# Allegro board TubiiPCB_V6.brd (continued)
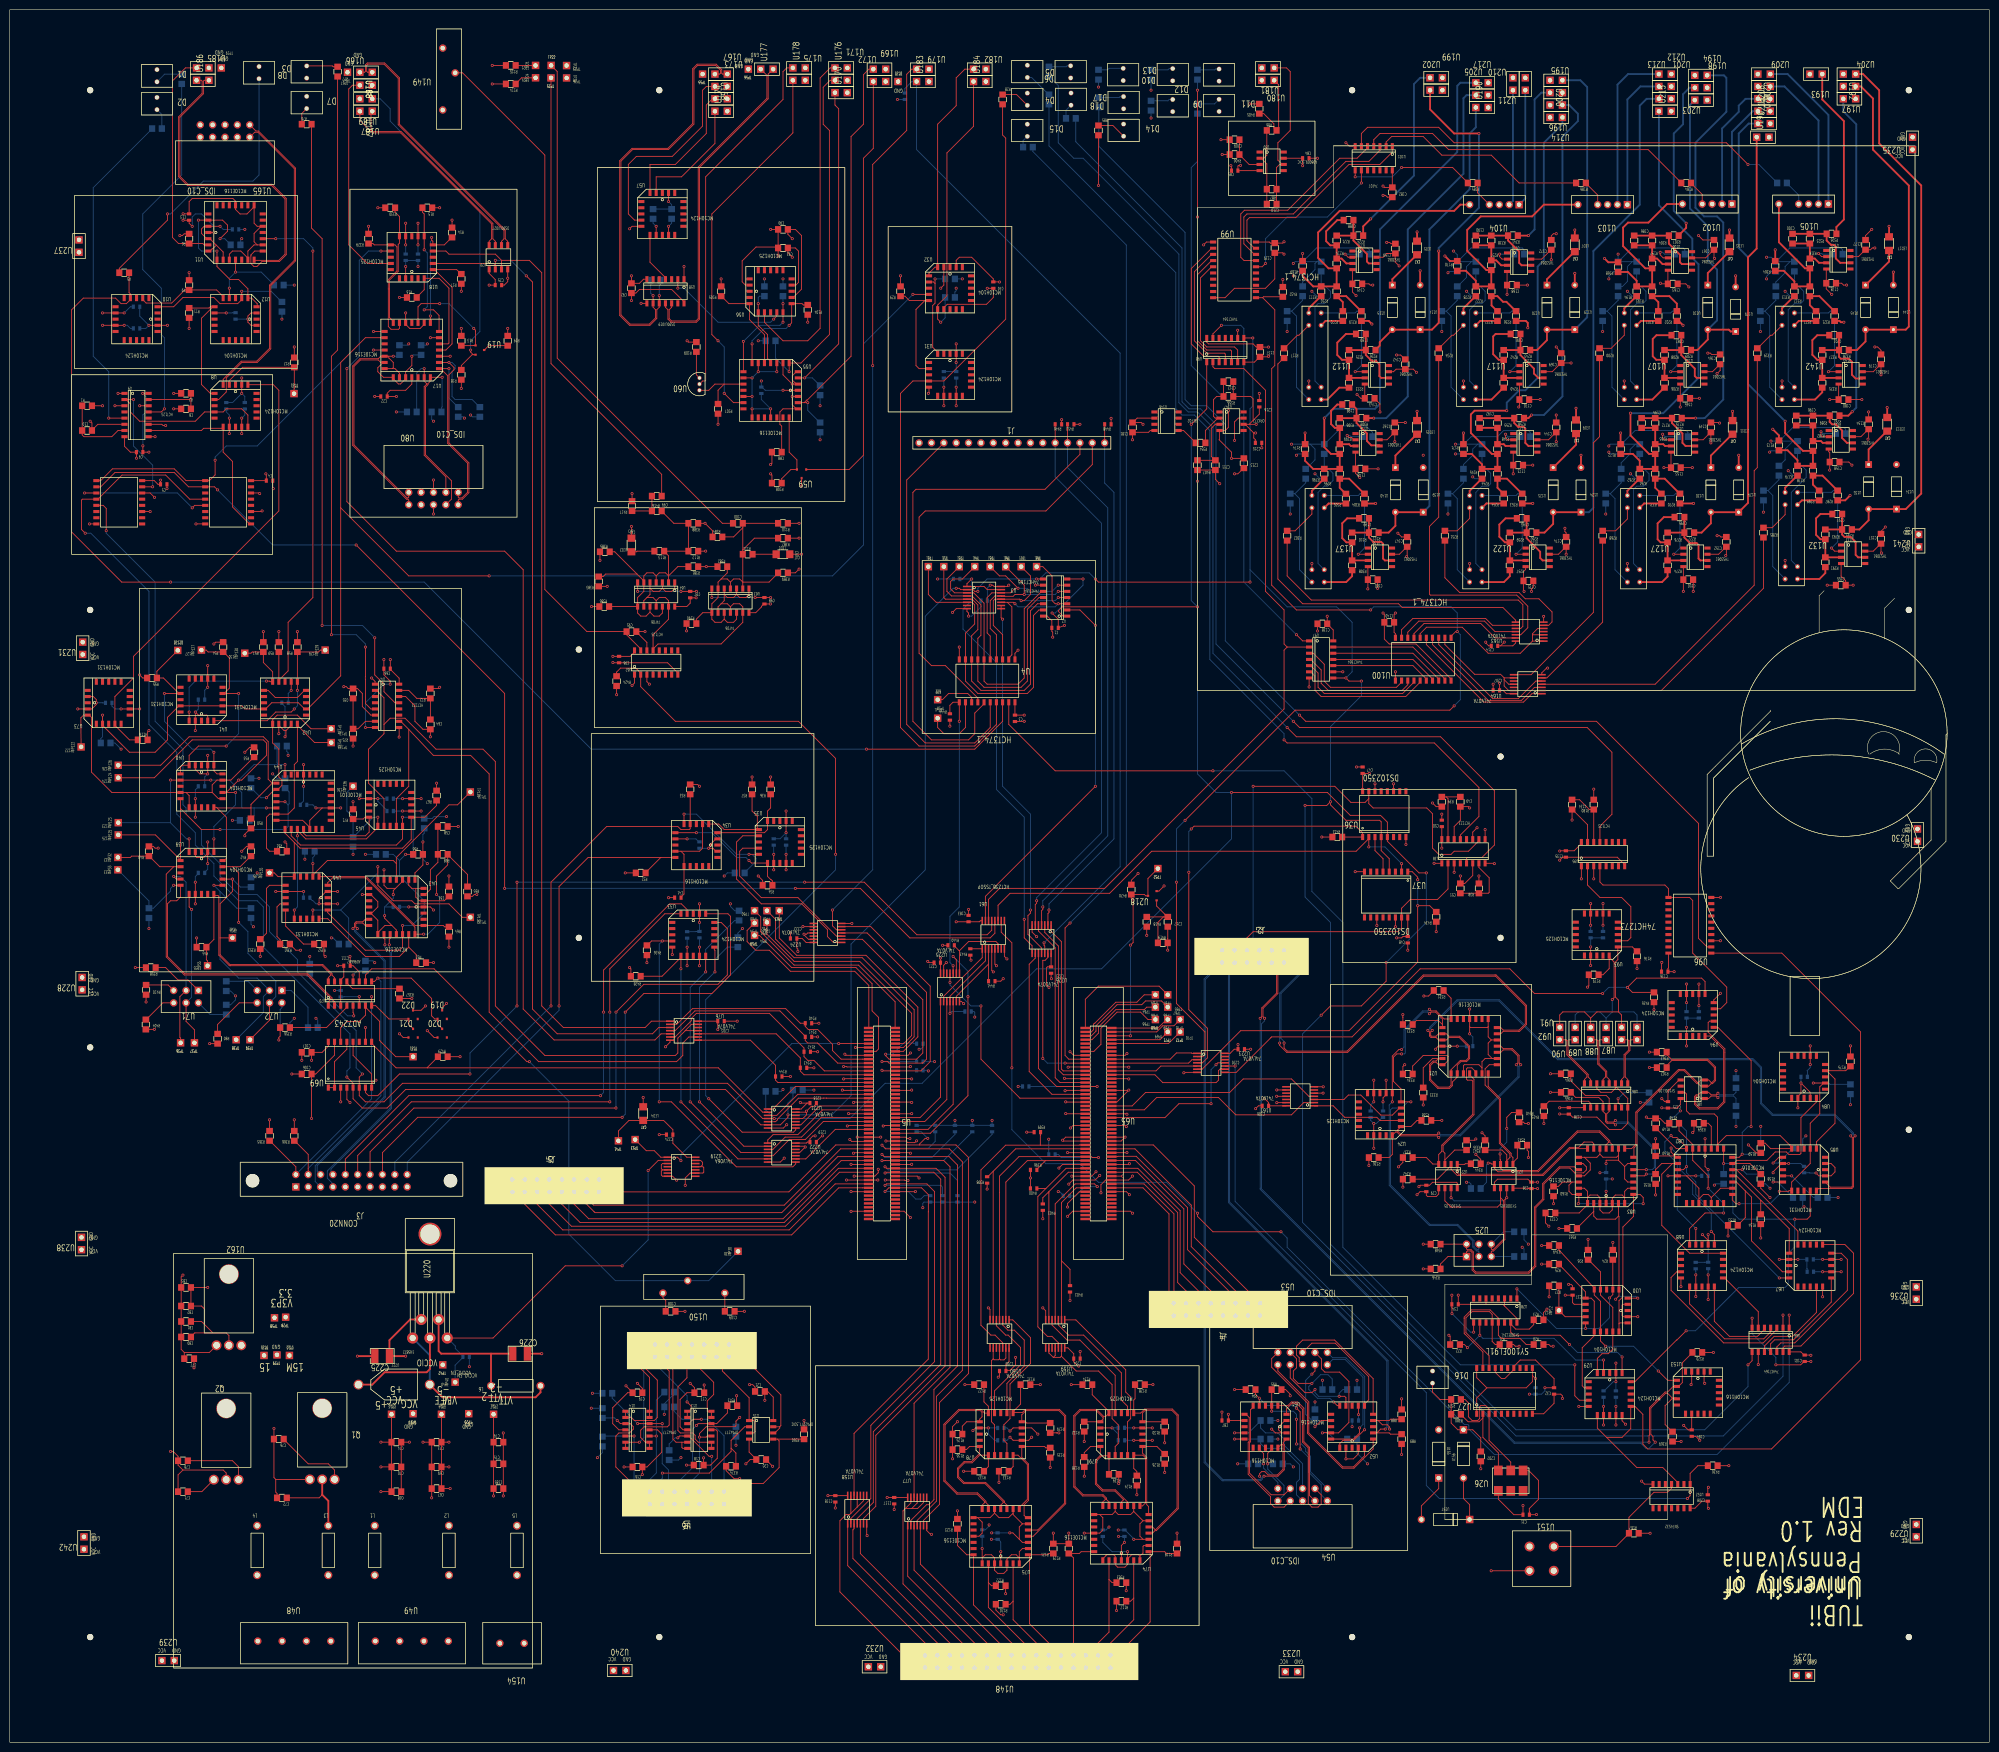
[diagram p0: board, top side]
## Nets (continued)
UNNAMED_1_74HCT164_I64_Q2: U98.5(Q2) U99.4(D2)
UNNAMED_1_74HCT164_I64_Q3: U98.6(Q3) U99.5(D3)
UNNAMED_1_74HCT164_I64_Q7: U97.1(DSA) U98.13(Q7)
UNNAMED_1_74HCT164_I65_Q0: U97.3(Q0) U100.2(D0)
UNNAMED_1_74HCT164_I65_Q1: U97.4(Q1) U100.3(D1)
UNNAMED_1_74HCT164_I65_Q2: U97.5(Q2) U100.4(D2)
UNNAMED_1_74HCT164_I65_Q3: U97.6(Q3) U100.5(D3)
UNNAMED_1_74HCT164_I65_Q4: U97.10(Q4) U100.6(D4)
UNNAMED_1_74HCT164_I65_Q5: U97.11(Q5) U100.7(D5)
UNNAMED_1_74HCT164_I65_Q6: U97.12(Q6) U100.8(D6)
UNNAMED_1_74HCT164_I65_Q7: U97.13(Q7) U100.9(D7)
UNNAMED_1_74LV06A_I237_VCC: C224.1(A<0>) LED4.1(B) TP41.1(A) U219.14(VCC)
UNNAMED_1_74LV07A_I70_A1: U100.16(Q3) U163.1(A1) U163.3(A2) U163.5(A3)
UNNAMED_1_74LV07A_I70_A4: U100.19(Q0) U163.9(A4)
UNNAMED_1_74LV07A_I70_A5: U100.18(Q1) U163.11(A5)
UNNAMED_1_74LV07A_I70_A6: U100.17(Q2) U163.13(A6)
UNNAMED_1_74LV07A_I72_A1: U100.15(Q4) U164.1(A1)
UNNAMED_1_74LV07A_I72_A2: U100.14(Q5) U164.3(A2)
UNNAMED_1_74LV07A_I72_A3: U100.13(Q6) U164.5(A3)
UNNAMED_1_74LV07A_I72_A4: U100.12(Q7) U164.9(A4) U164.11(A5) U164.13(A6)
UNNAMED_1_74LV07A_I72_Y3: R268.1(A<0>) U164.6(Y3)
UNNAMED_1_74LV07A_I85_A1: U79.7(Q2) U159.1(A1)
UNNAMED_1_74LV07A_I85_A2: U79.15(Q3) U159.3(A2)
UNNAMED_1_74LV07A_I85_A3: U79.17(Q4) U159.5(A3)
UNNAMED_1_74LV07A_I85_A4: U79.5(Q1) U159.9(A4) U159.11(A5) U159.13(A6)
UNNAMED_1_74LV07A_I86_A1: U78.7(Q2) U160.1(A1)
UNNAMED_1_74LV07A_I86_A2: U78.15(Q3) U160.3(A2)
UNNAMED_1_74LV07A_I86_A3: U78.17(Q4) U160.5(A3)
UNNAMED_1_74LV07A_I86_A4: U78.5(Q1) U160.9(A4) U160.11(A5) U160.13(A6)
UNNAMED_1_AD7243_I2_REFIN: U69.1(REFIN) U69.2(REFOUT) U69.13(ROFS)
UNNAMED_1_AD8009_I1_IN: C210.1(A<0>) R86.2(B<0>) R87.1(A<0>) U50.2(IN-)
UNNAMED_1_AD8009_I1_IN_1: C209.2(B<0>) R406.2(B<0>) U50.3(IN+)
UNNAMED_1_AD96687_I1_LE1: R356.2(B<0>) U70.4(LE1)
UNNAMED_1_AD96687_I1_LE1_1: R408.2(B<0>) U70.5(LE1*)
UNNAMED_1_AD96687_I1_LE2: R357.2(B<0>) U70.13(LE2)
UNNAMED_1_AD96687_I1_LE2_1: R409.2(B<0>) U70.12(LE2*)
UNNAMED_1_AD96687_I1_Q1: R48.2(B<0>) TP32.1(A) U39.5(A1) U70.1(Q1)
UNNAMED_1_AD96687_I1_Q1_1: R46.2(B<0>) TP33.1(A) U39.8(A2) U70.2(Q1*)
UNNAMED_1_AD96687_I1_Q2: R45.2(B<0>) TP35.1(A) U39.13(A3) U70.16(Q2)
UNNAMED_1_AD96687_I1_Q2_1: R43.2(B<0>) TP34.1(A) U39.15(A4) U70.15(Q2*)
UNNAMED_1_BACKPORTS_I3_UNNU<10>: J4.5 U65.67
UNNAMED_1_BACKPORTS_I3_UNNU<11>: J4.7 U65.69
UNNAMED_1_BACKPORTS_I3_UNNU<12>: J4.9 U65.73
UNNAMED_1_BACKPORTS_I3_UNNU<13>: J4.11 U65.75
UNNAMED_1_BACKPORTS_I3_UNNU<14>: J4.13 U65.81
UNNAMED_1_BACKPORTS_I3_UNNU<15>: J4.15 U65.83
UNNAMED_1_BACKPORTS_I3_UNNUS<0>: J5.15 U5.62
UNNAMED_1_BACKPORTS_I3_UNNUS<1>: J5.13 U5.64
UNNAMED_1_BACKPORTS_I3_UNNUS<2>: J5.11 U5.68
UNNAMED_1_BACKPORTS_I3_UNNUS<3>: J5.9 U5.70
UNNAMED_1_BACKPORTS_I3_UNNUS<4>: J5.7 U5.74
UNNAMED_1_BACKPORTS_I3_UNNUS<5>: J5.5 U5.76
UNNAMED_1_BACKPORTS_I3_UNNUS<6>: J5.3 U5.82
UNNAMED_1_BACKPORTS_I3_UNNUS<7>: J5.1 U5.84
UNNAMED_1_BACKPORTS_I3_UNNUS<8>: J4.1 U65.61
UNNAMED_1_BACKPORTS_I3_UNNUS<9>: J4.3 U65.63
UNNAMED_1_BSS138_I128_1: C217.2(B<0>) R418.2(B<0>) R419.2(B<0>) U218.1
UNNAMED_1_CAENBUFFER_I5_CNTRL: R319.1(A<0>) U164.4(Y2)
UNNAMED_1_CAENBUFFER_I5_INANAL: R312.1(A<0>) R313.1(A<0>) R316.1(A<0>) R364.2(B<0>) U105.5(OUT)
UNNAMED_1_CAENBUFFER_I18_CNTRL: R200.1(A<0>) U164.8(Y4)
UNNAMED_1_CAENBUFFER_I18_INANAL: R168.2(B<0>) R193.1(A<0>) R194.1(A<0>) R197.1(A<0>) U102.5(OUT)
UNNAMED_1_CAENBUFFER_I18_VREF5M: C141.2(B<0>) C146.2(B<0>) C151.2(B<0>) C156.2(B<0>) C161.2(B<0>) C166.2(B<0>) C171.2(B<0>) C176.2(B<0>) C212.2(B<0>) C215.2(B<0>) C216.2(B<0>) R195.1(A<0>) R196.1(A<0>) R201.1(A<0>) R212.1(A<0>) R213.1(A<0>) R218.1(A<0>) R229.1(A<0>) R230.1(A<0>) R235.1(A<0>) R246.1(A<0>) R247.1(A<0>) R252.1(A<0>) R263.1(A<0>) R264.1(A<0>) R269.1(A<0>) R280.1(A<0>) R281.1(A<0>) R286.1(A<0>) R297.1(A<0>) R298.1(A<0>) R303.1(A<0>) R314.1(A<0>) R315.1(A<0>) R320.1(A<0>) R355.2(B<0>) U147.6(OUT)
UNNAMED_1_CAENBUFFER_I19_CNTRL: R217.1(A<0>) U163.8(Y4)
UNNAMED_1_CAENBUFFER_I19_INANAL: R169.2(B<0>) R210.1(A<0>) R211.1(A<0>) R214.1(A<0>) U104.5(OUT)
UNNAMED_1_CAENBUFFER_I20_CNTRL: R234.1(A<0>) U163.12(Y6)
UNNAMED_1_CAENBUFFER_I20_INANAL: R170.2(B<0>) R227.1(A<0>) R228.1(A<0>) R231.1(A<0>) U103.5(OUT)
UNNAMED_1_CAENBUFFER_I21_CNTRL: R251.1(A<0>) U163.6(Y3)
UNNAMED_1_CAENBUFFER_I23_CNTRL: R285.1(A<0>) U164.2(Y1)
UNNAMED_1_CAENBUFFER_I24_CNTRL: R302.1(A<0>) U163.10(Y5)
UNNAMED_1_CAENCOMS_I8_DATARDY: R432.1(A<0>) U99.11(CLK) U100.11(CLK) U223.2(Y1)
UNNAMED_1_CAENCOMS_I8_GT2P: R56.2(B<0>) U17.20(Q4) U32.7(B1) U41.5(R1) U41.17(R2) U42.5(R1) U42.17(R2) U73.5(R1)
UNNAMED_1_CAENCOMS_I8_GTTTL: U1.1(IN) U7.1(IN) U18.15(Q3) U76.5(A3)
UNNAMED_1_CAENCOMS_I8_SYNC24TTL: U18.7(Q2) U20.3(D2) U76.1(A1)
UNNAMED_1_CAENCOMS_I8_SYNCTTL: U18.5(Q1) U20.2(D1) U76.3(A2)
UNNAMED_1_CHANGECLKS_I3_BCKPC_1: R344.1(A<0>) U22.1(D_A) U83.17(Q3)
UNNAMED_1_CHANGECLKS_I3_BCKPC_2: R348.2(B<0>) U25.4(T_A2) U83.21(Q4*)
UNNAMED_1_CHANGECLKS_I3_BCKPC_3: R346.2(B<0>) U25.1(T_A1) U83.20(Q4)
UNNAMED_1_CHANGECLKS_I3_BCKPCLK: R342.1(A<0>) U22.2(D_A*) U83.18(Q3*)
UNNAMED_1_CHANGECLKS_I3_CHANG_1: R333.2(B<0>) U21.3(D0) U21.6(D1*) U21.27(D2) U85.19(Q2)
UNNAMED_1_CHANGECLKS_I3_CHANGEC: R334.2(B<0>) U21.4(D0*) U21.5(D1) U21.28(D2*) U85.18(Q2*)
UNNAMED_1_CHANGECLKS_I3_DEFAU_1: R340.2(B<0>) U23.3(D_B) U83.14(Q2)
UNNAMED_1_CHANGECLKS_I3_DEFAULT: R339.2(B<0>) U23.4(D_B*) U83.15(Q2*)
UNNAMED_1_CLOCKS_I2_BCKPUSED: U24.5(Q1) U161.1(A1)
UNNAMED_1_CLOCKS_I2_CLK100TTL: U24.7(Q2) U161.3(A2)
UNNAMED_1_CLOCKS_I2_CLKSEL: U4.19(Q0) U29.7(A_IN)
UNNAMED_1_CLOCKS_I2_DATARDY: R435.1(A<0>) U94.9(B_IN) U223.8(Y4)
UNNAMED_1_CLOCKS_I2_RESET: R436.1(A<0>) U152.1(A1) U223.10(Y5)
UNNAMED_1_CNTRLREGISTER_I10_DAT: R444.2(B<0>) U4.11(CLK) U225.10(Y5)
UNNAMED_1_CNTRLREGISTER_I10_ECA: R28.1(A<0>) U4.17(Q2) U31.7(A_IN)
UNNAMED_1_CNTRLREGISTER_I10_LOS: R5.2(B<0>) U4.18(Q1) U10.7(A_IN)
UNNAMED_1_CNTRLREGISTER_I10_REA: R449.2(B<0>) U3.1(PL*) U3.15(CE*) U226.8(Y4)
UNNAMED_1_CNTRLREGISTER_I10_REG: U3.9(Q7) U3.10(DS) U226.11(A5)
UNNAMED_1_COTO2342_I1_CTRLIN: R319.2(B<0>) U142.2(CTRL_IN)
UNNAMED_1_COTO2342_I1_CTRLIN_1: R200.2(B<0>) U107.2(CTRL_IN)
UNNAMED_1_COTO2342_I1_CTRLIN_2: R217.2(B<0>) U112.2(CTRL_IN)
UNNAMED_1_COTO2342_I1_CTRLIN_3: R234.2(B<0>) U117.2(CTRL_IN)
UNNAMED_1_COTO2342_I1_CTRLIN_4: R251.2(B<0>) U122.2(CTRL_IN)
UNNAMED_1_COTO2342_I1_CTRLIN_5: R268.2(B<0>) U127.2(CTRL_IN)
UNNAMED_1_COTO2342_I1_CTRLIN_6: R285.2(B<0>) U132.2(CTRL_IN)
UNNAMED_1_COTO2342_I1_CTRLIN_7: R302.2(B<0>) U137.2(CTRL_IN)
UNNAMED_1_COTO2342_I1_IN1: R325.1(A<0>) U142.5(IN1)
UNNAMED_1_COTO2342_I1_IN1_1: R206.1(A<0>) U107.5(IN1)
UNNAMED_1_COTO2342_I1_IN1_2: R223.1(A<0>) U112.5(IN1)
UNNAMED_1_COTO2342_I1_IN1_3: R240.1(A<0>) U117.5(IN1)
UNNAMED_1_COTO2342_I1_IN1_4: R257.1(A<0>) U122.5(IN1)
UNNAMED_1_COTO2342_I1_IN1_5: R274.1(A<0>) U127.5(IN1)
UNNAMED_1_COTO2342_I1_IN1_6: R291.1(A<0>) U132.5(IN1)
UNNAMED_1_COTO2342_I1_IN1_7: R308.1(A<0>) U137.5(IN1)
UNNAMED_1_COTO2342_I1_IN2: R324.1(A<0>) U142.8(IN2)
UNNAMED_1_COTO2342_I1_IN2_1: R205.1(A<0>) U107.8(IN2)
UNNAMED_1_COTO2342_I1_IN2_2: R222.1(A<0>) U112.8(IN2)
UNNAMED_1_COTO2342_I1_IN2_3: R239.1(A<0>) U117.8(IN2)
UNNAMED_1_COTO2342_I1_IN2_4: R256.1(A<0>) U122.8(IN2)
UNNAMED_1_COTO2342_I1_IN2_5: R273.1(A<0>) U127.8(IN2)
UNNAMED_1_COTO2342_I1_IN2_6: R290.1(A<0>) U132.8(IN2)
UNNAMED_1_COTO2342_I1_IN2_7: R307.1(A<0>) U137.8(IN2)
UNNAMED_1_COTO2342_I1_NC1: R322.2(B<0>) U142.7(NC1)
UNNAMED_1_COTO2342_I1_NC1_1: R203.2(B<0>) U107.7(NC1)
UNNAMED_1_COTO2342_I1_NC1_2: R220.2(B<0>) U112.7(NC1)
UNNAMED_1_COTO2342_I1_NC1_3: R237.2(B<0>) U117.7(NC1)
UNNAMED_1_COTO2342_I1_NC1_4: R254.2(B<0>) U122.7(NC1)
UNNAMED_1_COTO2342_I1_NC1_5: R271.2(B<0>) U127.7(NC1)
UNNAMED_1_COTO2342_I1_NC1_6: R288.2(B<0>) U132.7(NC1)
UNNAMED_1_COTO2342_I1_NC1_7: R305.2(B<0>) U137.7(NC1)
UNNAMED_1_COTO2342_I1_NC2: R315.2(B<0>) R318.2(B<0>) U142.6(NC2)
UNNAMED_1_COTO2342_I1_NC2_1: R196.2(B<0>) R199.2(B<0>) U107.6(NC2)
UNNAMED_1_COTO2342_I1_NC2_2: R213.2(B<0>) R216.2(B<0>) U112.6(NC2)
UNNAMED_1_COTO2342_I1_NC2_3: R230.2(B<0>) R233.2(B<0>) U117.6(NC2)
UNNAMED_1_COTO2342_I1_NC2_4: R247.2(B<0>) R250.2(B<0>) U122.6(NC2)
UNNAMED_1_COTO2342_I1_NC2_5: R264.2(B<0>) R267.2(B<0>) U127.6(NC2)
UNNAMED_1_COTO2342_I1_NC2_6: R281.2(B<0>) R284.2(B<0>) U132.6(NC2)
UNNAMED_1_COTO2342_I1_NC2_7: R298.2(B<0>) R301.2(B<0>) U137.6(NC2)
UNNAMED_1_COTO2342_I1_NO1: R313.2(B<0>) U142.1(NO1)
UNNAMED_1_COTO2342_I1_NO1_1: R194.2(B<0>) U107.1(NO1)
UNNAMED_1_COTO2342_I1_NO1_2: R211.2(B<0>) U112.1(NO1)
UNNAMED_1_COTO2342_I1_NO1_3: R228.2(B<0>) U117.1(NO1)
UNNAMED_1_COTO2342_I1_NO1_4: R245.2(B<0>) U122.1(NO1)
UNNAMED_1_COTO2342_I1_NO1_5: R262.2(B<0>) U127.1(NO1)
UNNAMED_1_COTO2342_I1_NO1_6: R279.2(B<0>) U132.1(NO1)
UNNAMED_1_COTO2342_I1_NO1_7: R296.2(B<0>) U137.1(NO1)
UNNAMED_1_COTO2342_I1_NO2: R314.2(B<0>) R317.2(B<0>) U142.4(NO2)
UNNAMED_1_COTO2342_I1_NO2_1: R195.2(B<0>) R198.2(B<0>) U107.4(NO2)
UNNAMED_1_COTO2342_I1_NO2_2: R212.2(B<0>) R215.2(B<0>) U112.4(NO2)
UNNAMED_1_COTO2342_I1_NO2_3: R229.2(B<0>) R232.2(B<0>) U117.4(NO2)
UNNAMED_1_COTO2342_I1_NO2_4: R246.2(B<0>) R249.2(B<0>) U122.4(NO2)
UNNAMED_1_COTO2342_I1_NO2_5: R263.2(B<0>) R266.2(B<0>) U127.4(NO2)
UNNAMED_1_COTO2342_I1_NO2_6: R280.2(B<0>) R283.2(B<0>) U132.4(NO2)
UNNAMED_1_COTO2342_I1_NO2_7: R297.2(B<0>) R300.2(B<0>) U137.4(NO2)
UNNAMED_1_CSMD0603_I10_B_1: C41.2(B<0>) U34.5(D1*) U34.12(D2*) U34.14(VBB)
UNNAMED_1_CSMD0603_I54_B: C113.2(B<0>) U74.2(VBB) U74.4(D0*) U74.6(D1*) U74.26(D3*) U74.28(D2*)
UNNAMED_1_CSMD0603_I55_A: C115.1(A<0>) U75.2(VBB) U75.4(D0*) U75.6(D1*) U75.26(D3*) U75.28(D2*)
UNNAMED_1_CSMD0805_I12_B: C211.2(B<0>) R407.2(B<0>) U147.3(IN+)
UNNAMED_1_CSMD0805_I13_B: C51.2(B<0>) R38.2(B<0>) U38.7(REXT/CEXT2)
UNNAMED_1_CSMD0805_I14_B: C10.2(B<0>) R1.2(B<0>) U9.7(REXT/CEXT2)
UNNAMED_1_CSMD0805_I14_B_1: C49.2(B<0>) R39.2(B<0>) U38.15(REXT/CEXT1)
UNNAMED_1_CSMD0805_I15_B: C8.2(B<0>) R2.2(B<0>) U9.15(REXT/CEXT1)
UNNAMED_1_CSMD0805_I21_B_8: C100.2(B<0>) TP22.1(A)
UNNAMED_1_CSMD0805_I22_A: C99.1(A<0>) R416.2(B<0>) R417.2(B<0>)
UNNAMED_1_CSMD0805_I22_B: C99.2(B<0>) TP25.1(A)
UNNAMED_1_CSMD0805_I23_B: C95.2(B<0>) U62.15(REXT/CEXT1) U149.2(OUT)
UNNAMED_1_CSMD0805_I46_B: C64.2(B<0>) R72.2(B<0>) U47.15(REXT/CEXT1)
UNNAMED_1_CSMD0805_I57_B: C65.2(B<0>) R75.1(A<0>) U47.7(REXT/CEXT2)
UNNAMED_1_CSMD0805_I64_B: C61.2(B<0>) U43.2(VBB) U43.4(D0*) U43.6(D1*)
UNNAMED_1_CSMD0805_I70_B: C59.2(B<0>) R66.1(A<0>) U43.5(D1)
UNNAMED_1_CSMD0805_I71_A: C58.1(A<0>) R68.1(A<0>) U43.3(D0)
UNNAMED_1_DEFAULTCLKSEL_I1_BCKP: R160.2(B<0>) U30.18(Q3) U30.19(Q4) U83.5(D1) U83.23(D4) U83.25(D3)
UNNAMED_1_DEFAULTCLKSEL_I1_DEFA: R161.2(B<0>) U30.3(Q1) U30.4(Q2) U83.3(D0) U83.27(D2)
UNNAMED_1_DEFAULTCLKSEL_I1_RE_1: U29.9(B_IN) U29.14(D_IN) U96.1(MR*) U152.3(Y1)
UNNAMED_1_DEFAULTCLKSEL_I1_RESE: R157.1(A<0>) U29.18(D_OUT) U82.26(MR) U85.17(R2)
UNNAMED_1_DR610F1BUTTON_I24_B2: R167.2(B<0>) U151.3(B2) U152.4(A2)
UNNAMED_1_DS90LV019_I14_DIN: U56.7(Q2) U58.2(DIN)
UNNAMED_1_DS90LV019_I14_ROUT: U57.9(B_IN) U58.4(ROUT)
UNNAMED_1_DS102350_I1_Q: U36.3(Q/P0) U37.5(D/P2)
UNNAMED_1_ELLIECOMS_I9_SMELLI_1: R430.2(B<0>) U33.13(C_IN) U222.4(Y2)
UNNAMED_1_ELLIECOMS_I9_SMELLIED: R426.2(B<0>) U33.7(A_IN) U222.8(Y4)
UNNAMED_1_ELLIECOMS_I9_SMELLIEP: U35.5(Q1) U224.1(A1)
UNNAMED_1_ELLIECOMS_I9_TELLIEDE: R428.2(B<0>) U33.9(B_IN) U222.6(Y3)
UNNAMED_1_ELLIECOMS_I9_TELLIEPR: U35.7(Q2) U224.3(A2)
UNNAMED_1_ELLIECOMS_I9_TELLIEPU: R431.2(B<0>) U33.14(D_IN) U222.2(Y1)
UNNAMED_1_EXTTRIGS_I70_EXTT<10>: R393.2(B<0>) U5.61 U77.6(Y3)
UNNAMED_1_EXTTRIGS_I70_EXTT<11>: R392.2(B<0>) U5.69 U77.12(Y6)
UNNAMED_1_EXTTRIGS_I70_EXTT<12>: R391.2(B<0>) U5.81 U158.2(Y1)
UNNAMED_1_EXTTRIGS_I70_EXTT<13>: R147.2(B<0>) U5.75 U158.4(Y2)
UNNAMED_1_EXTTRIGS_I70_EXTT<14>: R146.2(B<0>) U5.73 U158.6(Y3)
UNNAMED_1_EXTTRIGS_I70_EXTT<15>: R145.2(B<0>) U5.83 U158.12(Y6)
UNNAMED_1_EXTTRIGS_I70_EXTTR<0>: R403.1(A<0>) U65.84 U159.2(Y1)
UNNAMED_1_EXTTRIGS_I70_EXTTR<1>: R402.1(A<0>) U65.82 U159.4(Y2)
UNNAMED_1_EXTTRIGS_I70_EXTTR<2>: R401.1(A<0>) U65.76 U159.6(Y3)
UNNAMED_1_EXTTRIGS_I70_EXTTR<3>: R400.1(A<0>) U65.74 U159.12(Y6)
UNNAMED_1_EXTTRIGS_I70_EXTTR<4>: R396.2(B<0>) U65.70 U160.2(Y1)
UNNAMED_1_EXTTRIGS_I70_EXTTR<5>: R397.2(B<0>) U65.68 U160.4(Y2)
UNNAMED_1_EXTTRIGS_I70_EXTTR<6>: R398.2(B<0>) U65.64 U160.6(Y3)
UNNAMED_1_EXTTRIGS_I70_EXTTR<7>: R399.2(B<0>) U65.62 U160.12(Y6)
UNNAMED_1_EXTTRIGS_I70_EXTTR<8>: R395.2(B<0>) U5.67 U77.2(Y1)
UNNAMED_1_EXTTRIGS_I70_EXTTR<9>: R394.2(B<0>) U5.63 U77.4(Y2)
UNNAMED_1_FCI61083-101400LF_I23: TP68.1(A) U65.14
UNNAMED_1_FRONTPORTS_I2_CAEN<0>: R328.2(B<0>) U144.1(IN) U145.2(OUT) U197.1
UNNAMED_1_FRONTPORTS_I2_CAEN<1>: R209.2(B<0>) U109.1(IN) U110.2(OUT) U198.1
UNNAMED_1_FRONTPORTS_I2_CAEN<2>: R226.2(B<0>) U114.1(IN) U115.2(OUT) U199.1
UNNAMED_1_FRONTPORTS_I2_CAEN<3>: R243.2(B<0>) U119.1(IN) U120.2(OUT) U200.1
UNNAMED_1_FRONTPORTS_I2_CAEN<4>: R260.2(B<0>) U124.1(IN) U125.2(OUT) U201.1
UNNAMED_1_FRONTPORTS_I2_CAEN<5>: R277.2(B<0>) U129.1(IN) U130.2(OUT) U191.1
UNNAMED_1_FRONTPORTS_I2_CAEN<6>: R294.2(B<0>) U134.1(IN) U135.2(OUT) U192.1
UNNAMED_1_FRONTPORTS_I2_CAEN<7>: R311.2(B<0>) U139.1(IN) U140.2(OUT) U190.1
UNNAMED_1_FRONTPORTS_I2_CLK100N: J2.12 U21.17(Q3)
UNNAMED_1_FRONTPORTS_I2_CLK100P: J2.11 U21.18(Q3*)
UNNAMED_1_FRONTPORTS_I2_DGTN: U8.5(A_OUT*) U165.1(PIN1)
UNNAMED_1_FRONTPORTS_I2_DGTP: U8.3(A_OUT) U165.2(PIN2)
UNNAMED_1_FRONTPORTS_I2_ECLTO_1: U58.11(DOUT*) U177.2
UNNAMED_1_FRONTPORTS_I2_ECLTO_2: U58.12(DOUT) U177.1
UNNAMED_1_FRONTPORTS_I2_ECLTO_3: U60.2(E) U178.1
UNNAMED_1_FRONTPORTS_I2_ECLTO_4: U56.5(Q1) U176.1
UNNAMED_1_FRONTPORTS_I2_ECLTOLV: R101.2(B<0>) U55.5(D1) U171.1
UNNAMED_1_FRONTPORTS_I2_ECLTONI: R102.2(B<0>) U55.27(D2) U172.1
UNNAMED_1_FRONTPORTS_I2_ECLTOTT: R100.2(B<0>) U55.3(D0) U170.1
UNNAMED_1_FRONTPORTS_I2_EXT<10>: U77.1(A1) U148.21
UNNAMED_1_FRONTPORTS_I2_EXT<11>: U77.9(A4) U77.11(A5) U77.13(A6) U148.23
UNNAMED_1_FRONTPORTS_I2_EXT<12>: U148.25 U158.5(A3)
UNNAMED_1_FRONTPORTS_I2_EXT<13>: U148.27 U158.3(A2)
UNNAMED_1_FRONTPORTS_I2_EXT<14>: U148.29 U158.1(A1)
UNNAMED_1_FRONTPORTS_I2_EXT<15>: U148.31 U158.9(A4) U158.11(A5) U158.13(A6)
UNNAMED_1_FRONTPORTS_I2_EXTPEDI: R31.2(B<0>) U32.9(B2) U184.1
UNNAMED_1_FRONTPORTS_I2_EXTPEDO: U32.3(Q1) U32.4(Q2) U182.1
UNNAMED_1_FRONTPORTS_I2_EXTT<0>: R118.2(B<0>) U74.5(D1) U148.1
UNNAMED_1_FRONTPORTS_I2_EXTT<1>: R117.2(B<0>) U74.3(D0) U148.3
UNNAMED_1_FRONTPORTS_I2_EXTT<2>: R363.2(B<0>) U74.27(D2) U148.5
UNNAMED_1_FRONTPORTS_I2_EXTT<3>: R119.2(B<0>) U74.25(D3) U148.7
UNNAMED_1_FRONTPORTS_I2_EXTT<4>: R121.2(B<0>) U75.5(D1) U148.9
UNNAMED_1_FRONTPORTS_I2_EXTT<5>: R120.2(B<0>) U75.3(D0) U148.11
UNNAMED_1_FRONTPORTS_I2_EXTT<6>: R122.2(B<0>) U75.27(D2) U148.13
UNNAMED_1_FRONTPORTS_I2_EXTT<7>: R123.2(B<0>) U75.25(D3) U148.15
UNNAMED_1_FRONTPORTS_I2_EXTT<8>: U77.5(A3) U148.17
UNNAMED_1_FRONTPORTS_I2_EXTT<9>: U77.3(A2) U148.19
UNNAMED_1_FRONTPORTS_I2_GENER_1: J2.6 U37.15(OUT) U38.2(IN_B1)
UNNAMED_1_FRONTPORTS_I2_GENER_2: J2.8 U36.15(OUT) U38.10(IN_B2)
UNNAMED_1_FRONTPORTS_I2_GENERIC: U179.1 U224.5(A3)
UNNAMED_1_FRONTPORTS_I2_GTN: R192.2(B<0>) U17.24(D4*) U17.26(D3*) U17.28(D2*) U80.2(PIN2)
UNNAMED_1_FRONTPORTS_I2_GTNIM: R18.1(A<0>) U19.2(E) U189.1
UNNAMED_1_FRONTPORTS_I2_GTP: R191.2(B<0>) U17.23(D4) U17.25(D3) U17.27(D2) U80.1(PIN1)
UNNAMED_1_FRONTPORTS_I2_GTTTLOU: U18.17(Q4) U166.1
UNNAMED_1_FRONTPORTS_I2_LOSTA_1: U11.11(Q1) U186.1
UNNAMED_1_FRONTPORTS_I2_LOSTARO: U11.12(Q1*) U186.2
UNNAMED_1_FRONTPORTS_I2_LVDST_1: R368.2(B<0>) U58.10(RI) U168.1
UNNAMED_1_FRONTPORTS_I2_LVDST_2: U57.2(B_OUT) U174.1
UNNAMED_1_FRONTPORTS_I2_LVDSTOE: R368.1(A<0>) U58.9(RI*) U168.2
UNNAMED_1_FRONTPORTS_I2_MTCAM_1: J3.5 U43.17(Q3)
UNNAMED_1_FRONTPORTS_I2_MTCAM_2: D21.3(CAT) D22.1(AN) J3.2 R365.2(B<0>) U70.8(IN_P1)
UNNAMED_1_FRONTPORTS_I2_MTCAM_3: J3.8 U43.21(Q4*)
UNNAMED_1_FRONTPORTS_I2_MTCAM_4: J3.7 U43.20(Q4)
UNNAMED_1_FRONTPORTS_I2_MTCAM_5: D19.1(AN) D20.3(CAT) J3.4 R366.2(B<0>) U70.9(IN_P2)
UNNAMED_1_FRONTPORTS_I2_MTCAMIM: J3.6 U43.18(Q3*)
UNNAMED_1_FRONTPORTS_I2_MTCDLO: R6.2(B<0>) U11.3(D0) U185.1
UNNAMED_1_FRONTPORTS_I2_NIMTO_1: U55.17(Q3) U175.1
UNNAMED_1_FRONTPORTS_I2_NIMTOEC: U59.1(B) U169.1
UNNAMED_1_FRONTPORTS_I2_PUL<10>: R173.2(B<0>) R278.1(A<0>) R279.1(A<0>) R282.1(A<0>) U216.1
UNNAMED_1_FRONTPORTS_I2_PUL<11>: R174.2(B<0>) R295.1(A<0>) R296.1(A<0>) R299.1(A<0>) U217.1
UNNAMED_1_FRONTPORTS_I2_PULS<0>: U105.1(IN1) U206.1
UNNAMED_1_FRONTPORTS_I2_PULS<1>: U105.2(IN2) U207.1
UNNAMED_1_FRONTPORTS_I2_PULS<2>: U102.1(IN1) U208.1
UNNAMED_1_FRONTPORTS_I2_PULS<3>: U102.2(IN2) U209.1
UNNAMED_1_FRONTPORTS_I2_PULS<4>: U104.1(IN1) U210.1
UNNAMED_1_FRONTPORTS_I2_PULS<5>: U104.2(IN2) U211.1
UNNAMED_1_FRONTPORTS_I2_PULS<6>: U103.1(IN1) U212.1
UNNAMED_1_FRONTPORTS_I2_PULS<7>: U103.2(IN2) U213.1
UNNAMED_1_FRONTPORTS_I2_PULS<8>: R171.2(B<0>) R244.1(A<0>) R245.1(A<0>) R248.1(A<0>) U214.1
UNNAMED_1_FRONTPORTS_I2_PULS<9>: R172.2(B<0>) R261.1(A<0>) R262.1(A<0>) R265.1(A<0>) U215.1
UNNAMED_1_FRONTPORTS_I2_PULSE_1: C210.2(B<0>) R87.2(B<0>) U50.6(OUTPUT) U181.1
UNNAMED_1_FRONTPORTS_I2_PULSEIN: R86.1(A<0>) R405.2(B<0>) U180.1
UNNAMED_1_FRONTPORTS_I2_RIBBO_1: J2.3 R88.2(B<0>) U52.7(D1)
UNNAMED_1_FRONTPORTS_I2_RIBBO_2: J2.1 U51.18(Q3*)
UNNAMED_1_FRONTPORTS_I2_RIBBO_3: J2.2 U51.19(Q3)
UNNAMED_1_FRONTPORTS_I2_RIBBONP: J2.4 R89.2(B<0>) U52.5(D1*)
UNNAMED_1_FRONTPORTS_I2_SCAL<1>: J1.14 U4.15(Q4)
UNNAMED_1_FRONTPORTS_I2_SCAL<2>: J1.15 U4.14(Q5)
UNNAMED_1_FRONTPORTS_I2_SCAL<3>: J1.3 U4.16(Q3)
UNNAMED_1_FRONTPORTS_I2_SCAL<4>: J1.16 R448.2(B<0>) U226.2(Y1)
UNNAMED_1_FRONTPORTS_I2_SCAL<5>: J1.12 R446.2(B<0>) U226.6(Y3)
UNNAMED_1_FRONTPORTS_I2_SCAL<6>: J1.13 R450.2(B<0>) U226.4(Y2)
UNNAMED_1_FRONTPORTS_I2_SCOP<0>: R326.2(B<0>) U193.1
UNNAMED_1_FRONTPORTS_I2_SCOP<1>: R207.2(B<0>) U194.1
UNNAMED_1_FRONTPORTS_I2_SCOP<2>: R224.2(B<0>) U202.1
UNNAMED_1_FRONTPORTS_I2_SCOP<3>: R241.2(B<0>) U195.1
UNNAMED_1_FRONTPORTS_I2_SCOP<4>: R258.2(B<0>) U196.1
UNNAMED_1_FRONTPORTS_I2_SCOP<5>: R275.2(B<0>) U203.1
UNNAMED_1_FRONTPORTS_I2_SCOP<6>: R292.2(B<0>) U204.1
UNNAMED_1_FRONTPORTS_I2_SCOP<7>: R309.2(B<0>) U205.1
UNNAMED_1_FRONTPORTS_I2_SMELL_1: J3.16 U33.19(C_OUT)
UNNAMED_1_FRONTPORTS_I2_SMELL_2: J3.12 U33.3(A_OUT)
UNNAMED_1_FRONTPORTS_I2_SMELLIE: J3.18 R33.2(B<0>) U34.7(D1)
UNNAMED_1_FRONTPORTS_I2_SYNC2_1: U20.6(Q2) U188.1
UNNAMED_1_FRONTPORTS_I2_SYNC24L: U20.5(Q2*) U188.2
UNNAMED_1_FRONTPORTS_I2_SYNC24N: R190.2(B<0>) U17.6(D1*) U80.9(PIN9)
UNNAMED_1_FRONTPORTS_I2_SYNC24P: R189.2(B<0>) U17.5(D1) U80.10(PIN10)
UNNAMED_1_FRONTPORTS_I2_SYNCL_1: U20.7(Q1) U187.1
UNNAMED_1_FRONTPORTS_I2_SYNCLVD: U20.8(Q1*) U187.2
UNNAMED_1_FRONTPORTS_I2_SYNCN: R188.2(B<0>) U17.4(D0*) U80.7(PIN7)
UNNAMED_1_FRONTPORTS_I2_SYNCP: R187.2(B<0>) U17.3(D0) U80.8(PIN8)
UNNAMED_1_FRONTPORTS_I2_TELLI_1: J3.14 U33.18(D_OUT)
UNNAMED_1_FRONTPORTS_I2_TELLIED: J3.20 R32.2(B<0>) U34.13(D2)
UNNAMED_1_FRONTPORTS_I2_TELLIEP: J3.10 U33.2(B_OUT)
UNNAMED_1_FRONTPORTS_I2_TTLTO_1: U57.3(A_OUT) U173.1
UNNAMED_1_FRONTPORTS_I2_TTLTOEC: U57.7(A_IN) U167.1
UNNAMED_1_FRONTPORTS_I2_TUBCL_1: J2.9 R369.1(A<0>) U153.7(D1)
UNNAMED_1_FRONTPORTS_I2_TUBCLKI: J2.10 R370.1(A<0>) U153.5(D1*)
UNNAMED_1_FRONTPORTS_I2_TUBIIRT: R447.2(B<0>) U183.1 U226.12(Y6)
UNNAMED_1_GENERALUTILITIES_I4_1: R433.1(A<0>) U36.1(IN) U223.4(Y2)
UNNAMED_1_GENERALUTILITIES_I4_G: R434.1(A<0>) U37.1(IN) U223.6(Y3)
UNNAMED_1_GTDELAYS_I1_DDGTN: R11.2(B<0>) U8.4(B_OUT*) U12.9(B2)
UNNAMED_1_GTDELAYS_I1_DDGTP: R12.2(B<0>) TP11.1(A) U8.2(B_OUT)
UNNAMED_1_HCT123_I9_Q1: R4.1(A<0>) U9.13(Q1)
UNNAMED_1_HCT123_I9_Q2: R3.1(A<0>) U9.5(Q2)
UNNAMED_1_HCT123_I22_Q1: R41.1(A<0>) U38.13(Q1)
UNNAMED_1_HCT123_I22_Q2: R40.1(A<0>) U38.5(Q2)
UNNAMED_1_HCT123_I29_CEXT1: C134.2(B<0>) R180.2(B<0>) U95.14(CEXT1)
UNNAMED_1_HCT123_I54_Q1: R76.1(A<0>) U47.13(Q1)
UNNAMED_1_HCT123_I54_Q2: R77.1(A<0>) U47.5(Q2)
UNNAMED_1_HCT238_I53_A0: R443.2(B<0>) U61.1(A0) U225.2(Y1)
UNNAMED_1_HCT238_I53_A1: R442.2(B<0>) U61.2(A1) U225.4(Y2)
UNNAMED_1_HCT238_I53_A2: R441.2(B<0>) U61.3(A2) U225.6(Y3)
UNNAMED_1_HCT238_I53_E3: R440.2(B<0>) U61.6(E3) U225.8(Y4)
UNNAMED_1_HCT374_I2_Q6: TP9.1(A) U4.13(Q6)
UNNAMED_1_HCT374_I2_Q7: TP10.1(A) U4.12(Q7)
UNNAMED_1_LED1206_I28_A: LED1.2(A) R111.1(A<0>)
UNNAMED_1_LED1206_I29_A: LED2.2(A) R113.1(A<0>)
UNNAMED_1_LEDL_I3_A: D4.2(A) R28.2(B<0>)
UNNAMED_1_LEDL_I11_A: D3.2(A) R5.1(A<0>)
UNNAMED_1_LEDL_I12_A: D10.2(A) R79.2(B<0>)
UNNAMED_1_LEDL_I17_A: D5.2(A) R41.2(B<0>)
UNNAMED_1_LEDL_I18_A: D1.2(A) R4.2(B<0>)
UNNAMED_1_LEDL_I18_A_1: D6.2(A) R40.2(B<0>)
UNNAMED_1_LEDL_I19_A: D2.2(A) R3.2(B<0>)
UNNAMED_1_LEDL_I19_B: D9.1(B) R78.1(A<0>)
UNNAMED_1_LEDL_I25_A: D14.2(A) R85.2(B<0>)
UNNAMED_1_LEDL_I32_A: D17.2(A) R181.2(B<0>)
UNNAMED_1_LEDL_I33_A: D18.2(A) R182.2(B<0>)
UNNAMED_1_LEDL_I42_B: D11.1(B) R82.1(A<0>)
UNNAMED_1_LEDL_I44_A: D12.2(A) R83.1(A<0>)
UNNAMED_1_LEDL_I46_B: D13.1(B) R84.1(A<0>)
UNNAMED_1_LEDL_I49_A: D8.2(A) R77.2(B<0>)
UNNAMED_1_LEDL_I50_A: D7.2(A) R76.2(B<0>)
UNNAMED_1_LEDL_I102_A: D15.2(A) R367.1(A<0>)
UNNAMED_1_LOGEN_I13_DGT2: R116.2(B<0>) U8.19(C_OUT) U73.7(S1)
UNNAMED_1_LOGEN_I13_LOSTAR2: R59.2(B<0>) U11.14(Q2) U42.12(CC)
UNNAMED_1_MC10E016_I48_TCLD: R359.2(B<0>) U82.28(TCLD)
UNNAMED_1_MC10E116_I1_D0: C123.2(B<0>) U83.2(VBB) U83.4(D0*) U83.6(D1*) U83.24(D4*) U83.26(D3*) U83.28(D2*)
UNNAMED_1_MC10E116_I1_Q0: R164.2(B<0>) U83.8(Q0) U86.13(CLK)
UNNAMED_1_MC10E116_I1_Q0_1: R165.2(B<0>) U83.9(Q0*) U86.12(CLK*)
UNNAMED_1_MC10E116_I1_Q3: R330.2(B<0>) U17.18(Q3*) U18.13(D3*)
UNNAMED_1_MC10E116_I1_Q3_1: R329.2(B<0>) U17.17(Q3) U18.14(D3)
UNNAMED_1_MC10E116_I2_D0: C11.2(B<0>) U11.2(VBB) U11.4(D0*) U11.6(D1*) U11.28(D2*)
UNNAMED_1_MC10E116_I2_Q0: R8.2(B<0>) U11.8(Q0) U12.7(B1)
UNNAMED_1_MC10E116_I3_Q0: R128.1(A<0>) U74.8(Q0) U79.14(D3)
UNNAMED_1_MC10E116_I3_Q0_1: R130.1(A<0>) U74.9(Q0*) U79.13(D3*)
UNNAMED_1_MC10E116_I3_Q1: R124.1(A<0>) U74.12(Q1*) U79.8(D2*)
UNNAMED_1_MC10E116_I3_Q1_1: R126.1(A<0>) U74.11(Q1) U79.9(D2)
UNNAMED_1_MC10E116_I3_Q2: R139.1(A<0>) U74.14(Q2) U79.4(D1)
UNNAMED_1_MC10E116_I3_Q2_1: R138.1(A<0>) U74.15(Q2*) U79.3(D1*)
UNNAMED_1_MC10E116_I3_Q3: R134.1(A<0>) U74.18(Q3*) U79.18(D4*)
UNNAMED_1_MC10E116_I3_Q3_1: R132.1(A<0>) U74.17(Q3) U79.19(D4)
UNNAMED_1_MC10E116_I4_Q0: R129.2(B<0>) U75.9(Q0*) U78.13(D3*)
UNNAMED_1_MC10E116_I4_Q0_1: R131.2(B<0>) U75.8(Q0) U78.14(D3)
UNNAMED_1_MC10E116_I4_Q1: R133.2(B<0>) U75.12(Q1*) U78.8(D2*)
UNNAMED_1_MC10E116_I4_Q1_1: R135.2(B<0>) U75.11(Q1) U78.9(D2)
UNNAMED_1_MC10E116_I4_Q2: R136.2(B<0>) U75.15(Q2*) U78.3(D1*)
UNNAMED_1_MC10E116_I4_Q2_1: R137.2(B<0>) U75.14(Q2) U78.4(D1)
UNNAMED_1_MC10E116_I4_Q3: R125.2(B<0>) U75.17(Q3) U78.19(D4)
UNNAMED_1_MC10E116_I4_Q3_1: R127.2(B<0>) U75.18(Q3*) U78.18(D4*)
UNNAMED_1_MC10E116_I22_D3: R108.2(B<0>) U55.25(D3) U59.2(E)
UNNAMED_1_MC10E116_I22_Q0: R103.2(B<0>) U55.8(Q0) U56.4(D1)
UNNAMED_1_MC10E116_I22_Q0_1: R105.2(B<0>) U55.9(Q0*) U56.3(D1*)
UNNAMED_1_MC10E116_I22_Q1: R104.2(B<0>) U55.11(Q1) U56.9(D2)
UNNAMED_1_MC10E116_I22_Q1_1: R106.2(B<0>) U55.12(Q1*) U56.8(D2*)
UNNAMED_1_MC10E116_I22_Q2: R107.2(B<0>) U55.14(Q2) U60.1(B)
UNNAMED_1_MC10E116_I63_Q0: R73.1(A<0>) TP131.1(A) U43.8(Q0) U46.5(R1)
UNNAMED_1_MC10E116_I63_Q1: R74.1(A<0>) TP132.1(A) U43.11(Q1) U46.17(R2)
UNNAMED_1_MC10H104_I4_A2: R349.2(B<0>) U30.8(A2) U30.15(A4) U153.4(Q1)
UNNAMED_1_MC10H131_I17_CE1: U42.8(CE1*) U42.14(CE2*)
UNNAMED_1_MC10H131_I59_CC: R362.1(A<0>) U85.12(CC)
UNNAMED_1_MC10H131_I59_D1: R360.2(B<0>) U85.9(D1)
UNNAMED_1_MC10H131_I59_D2: R361.2(B<0>) U85.13(D2)
UNNAMED_1_MC10H131_I62_CC: R351.1(A<0>) U46.12(CC)
UNNAMED_1_MC10H131_I62_D1: R353.1(A<0>) U46.9(D1)
UNNAMED_1_MC10H131_I62_D2: R352.1(A<0>) U46.13(D2)
UNNAMED_1_MICROZEDMODULE_I1_M_1: U45.7(Q2) U47.10(IN_B2) U76.9(A4)
UNNAMED_1_MICROZEDMODULE_I1_M_2: U45.5(Q1) U47.2(IN_B1) U76.11(A5) U76.13(A6)
UNNAMED_1_MICROZEDMODULE_I1_MTC: R429.2(B<0>) U69.9(LDAC*) U221.2(Y1)
UNNAMED_1_MICROZEDMODULE_I1_VCC: R421.2(B<0>) TP40.1(A) U219.2(Y1) U220.5(ON*)
UNNAMED_1_MMBTH81_I9_C: R19.1(A<0>) U19.3(C)
UNNAMED_1_MPSH81_I17_C: R109.2(B<0>) U60.3(C)
UNNAMED_1_OPA277_I2_IN: C212.1(A<0>) R354.2(B<0>) R355.1(A<0>) U147.2(IN-)
UNNAMED_1_PICKERING113FC_I60_CN: R183.2(B<0>) U105.4(CNTRL+)
UNNAMED_1_PICKERING113FC_I61_CN: R184.2(B<0>) U102.4(CNTRL+)
UNNAMED_1_PICKERING113FC_I62_CN: R185.2(B<0>) U104.4(CNTRL+)
UNNAMED_1_PICKERING113FC_I63_CN: R186.2(B<0>) U103.4(CNTRL+)
UNNAMED_1_REF02_I1_VOUT: R354.1(A<0>) U146.5(VOUT)
UNNAMED_1_RESL_I7_A: R312.2(B<0>) R321.1(A<0>) R322.1(A<0>)
UNNAMED_1_RESL_I7_A_1: R193.2(B<0>) R202.1(A<0>) R203.1(A<0>)
UNNAMED_1_RESL_I7_A_2: R210.2(B<0>) R219.1(A<0>) R220.1(A<0>)
UNNAMED_1_RESL_I7_A_3: R227.2(B<0>) R236.1(A<0>) R237.1(A<0>)
UNNAMED_1_RESL_I7_A_4: R244.2(B<0>) R253.1(A<0>) R254.1(A<0>)
UNNAMED_1_RESL_I7_A_5: R261.2(B<0>) R270.1(A<0>) R271.1(A<0>)
UNNAMED_1_RESL_I7_A_6: R278.2(B<0>) R287.1(A<0>) R288.1(A<0>)
UNNAMED_1_RESL_I7_A_7: R295.2(B<0>) R304.1(A<0>) R305.1(A<0>)
UNNAMED_1_RESL_I10_B: R320.2(B<0>) U141.2(VIN-)
UNNAMED_1_RESL_I10_B_1: R201.2(B<0>) U106.2(VIN-)
UNNAMED_1_RESL_I10_B_2: R218.2(B<0>) U111.2(VIN-)
UNNAMED_1_RESL_I10_B_3: R235.2(B<0>) U116.2(VIN-)
UNNAMED_1_RESL_I10_B_4: R252.2(B<0>) U121.2(VIN-)
UNNAMED_1_RESL_I10_B_5: R269.2(B<0>) U126.2(VIN-)
UNNAMED_1_RESL_I10_B_6: R286.2(B<0>) U131.2(VIN-)
UNNAMED_1_RESL_I10_B_7: R303.2(B<0>) U136.2(VIN-)
UNNAMED_1_RESL_I11_A: C200.1(A<0>) R316.2(B<0>) R323.1(A<0>) U141.3(VIN+)
UNNAMED_1_RESL_I11_A_1: C186.1(A<0>) R197.2(B<0>) R204.1(A<0>) U106.3(VIN+)
UNNAMED_1_RESL_I11_A_2: C188.1(A<0>) R214.2(B<0>) R221.1(A<0>) U111.3(VIN+)
UNNAMED_1_RESL_I11_A_3: C190.1(A<0>) R231.2(B<0>) R238.1(A<0>) U116.3(VIN+)
UNNAMED_1_RESL_I11_A_4: C192.1(A<0>) R248.2(B<0>) R255.1(A<0>) U121.3(VIN+)
UNNAMED_1_RESL_I11_A_5: C194.1(A<0>) R265.2(B<0>) R272.1(A<0>) U126.3(VIN+)
UNNAMED_1_RESL_I11_A_6: C196.1(A<0>) R282.2(B<0>) R289.1(A<0>) U131.3(VIN+)
UNNAMED_1_RESL_I11_A_7: C198.1(A<0>) R299.2(B<0>) R306.1(A<0>) U136.3(VIN+)
UNNAMED_1_RESL_I11_B: C200.2(B<0>) R323.2(B<0>) R326.1(A<0>) U141.6(VOUT)
UNNAMED_1_RESL_I11_B_1: C186.2(B<0>) R204.2(B<0>) R207.1(A<0>) U106.6(VOUT)
UNNAMED_1_RESL_I11_B_2: C188.2(B<0>) R221.2(B<0>) R224.1(A<0>) U111.6(VOUT)
UNNAMED_1_RESL_I11_B_3: C190.2(B<0>) R238.2(B<0>) R241.1(A<0>) U116.6(VOUT)
UNNAMED_1_RESL_I11_B_4: C192.2(B<0>) R255.2(B<0>) R258.1(A<0>) U121.6(VOUT)
UNNAMED_1_RESL_I11_B_5: C194.2(B<0>) R272.2(B<0>) R275.1(A<0>) U126.6(VOUT)
UNNAMED_1_RESL_I11_B_6: C196.2(B<0>) R289.2(B<0>) R292.1(A<0>) U131.6(VOUT)
UNNAMED_1_RESL_I11_B_7: C198.2(B<0>) R306.2(B<0>) R309.1(A<0>) U136.6(VOUT)
UNNAMED_1_RESL_I16_A: C201.1(A<0>) R325.2(B<0>) R327.1(A<0>) U143.3(VIN+)
UNNAMED_1_RESL_I16_A_1: C187.1(A<0>) R206.2(B<0>) R208.1(A<0>) U108.3(VIN+)
UNNAMED_1_RESL_I16_A_2: C189.1(A<0>) R223.2(B<0>) R225.1(A<0>) U113.3(VIN+)
UNNAMED_1_RESL_I16_A_3: C191.1(A<0>) R240.2(B<0>) R242.1(A<0>) U118.3(VIN+)
UNNAMED_1_RESL_I16_A_4: C193.1(A<0>) R257.2(B<0>) R259.1(A<0>) U123.3(VIN+)
UNNAMED_1_RESL_I16_A_5: C195.1(A<0>) R274.2(B<0>) R276.1(A<0>) U128.3(VIN+)
UNNAMED_1_RESL_I16_A_6: C197.1(A<0>) R291.2(B<0>) R293.1(A<0>) U133.3(VIN+)
UNNAMED_1_RESL_I16_A_7: C199.1(A<0>) R308.2(B<0>) R310.1(A<0>) U138.3(VIN+)
UNNAMED_1_RESL_I16_B: C201.2(B<0>) R327.2(B<0>) R328.1(A<0>) U143.6(VOUT)
UNNAMED_1_RESL_I16_B_1: C187.2(B<0>) R208.2(B<0>) R209.1(A<0>) U108.6(VOUT)
UNNAMED_1_RESL_I16_B_2: C189.2(B<0>) R225.2(B<0>) R226.1(A<0>) U113.6(VOUT)
UNNAMED_1_RESL_I16_B_3: C191.2(B<0>) R242.2(B<0>) R243.1(A<0>) U118.6(VOUT)
UNNAMED_1_RESL_I16_B_4: C193.2(B<0>) R259.2(B<0>) R260.1(A<0>) U123.6(VOUT)
UNNAMED_1_RESL_I16_B_5: C195.2(B<0>) R276.2(B<0>) R277.1(A<0>) U128.6(VOUT)
UNNAMED_1_RESL_I16_B_6: C197.2(B<0>) R293.2(B<0>) R294.1(A<0>) U133.6(VOUT)
UNNAMED_1_RESL_I16_B_7: C199.2(B<0>) R310.2(B<0>) R311.1(A<0>) U138.6(VOUT)
UNNAMED_1_RSMD0805_I4_B: R115.2(B<0>) TP21.1(A)
UNNAMED_1_RSMD0805_I5_B: R114.2(B<0>) TP24.1(A)
UNNAMED_1_RSMD0805_I16_B: R20.2(B<0>) U27.19(Q0) U28.13(CLK)
UNNAMED_1_RSMD0805_I17_B: R21.2(B<0>) U27.18(Q0*) U28.12(CLK*)
UNNAMED_1_RSMD0805_I18_B: R324.2(B<0>) U143.2(VIN-)
UNNAMED_1_RSMD0805_I18_B_1: R205.2(B<0>) U108.2(VIN-)
UNNAMED_1_RSMD0805_I18_B_2: R222.2(B<0>) U113.2(VIN-)
UNNAMED_1_RSMD0805_I18_B_3: R239.2(B<0>) U118.2(VIN-)
UNNAMED_1_RSMD0805_I18_B_4: R256.2(B<0>) U123.2(VIN-)
UNNAMED_1_RSMD0805_I18_B_5: R273.2(B<0>) U128.2(VIN-)
UNNAMED_1_RSMD0805_I18_B_6: R290.2(B<0>) U133.2(VIN-)
UNNAMED_1_RSMD0805_I18_B_7: R307.2(B<0>) U138.2(VIN-)
UNNAMED_1_RSMD0805_I39_A: C202.2(B<0>) D16.2(A) R379.1(A<0>) R380.1(A<0>) U156.1(CAT)
UNNAMED_1_RSMD0805_I45_B: R358.2(B<0>) U71.1(T_A1)
UNNAMED_1_RSMD0805_I53_B: R47.2(B<0>) U72.1(T_A1)
UNNAMED_1_RSMD0805_I54_B: R80.2(B<0>) U72.6(T_B2)
UNNAMED_1_RSMD0805_I55_B: R404.2(B<0>) U71.6(T_B2)
UNNAMED_1_RSMD0805_I60_B: R410.2(B<0>) U71.3(T_B1)
UNNAMED_1_RSMD0805_I61_B: R411.2(B<0>) U71.4(T_A2)
UNNAMED_1_RSMD0805_I62_B: R412.2(B<0>) U72.3(T_B1)
UNNAMED_1_RSMD0805_I63_B: R413.2(B<0>) U72.4(T_A2)
UNNAMED_1_RSMD0805_I95_A: R415.1(A<0>) U86.10(MR)
UNNAMED_1_RSMD0805_I96_A: R414.1(A<0>) U86.15(EN*)
UNNAMED_1_SS22SDP2_I34_P1: TP36.1(A) U39.7(B1) U71.2(P1)
UNNAMED_1_SS22SDP2_I34_P2: TP37.1(A) U39.9(B2) U71.5(P2)
UNNAMED_1_SS22SDP2_I35_P1: R44.2(B<0>) TP38.1(A) U39.14(B3) U72.2(P1)
UNNAMED_1_SS22SDP2_I35_P2: R42.2(B<0>) TP39.1(A) U39.17(B4) U72.5(P2)
UNNAMED_1_Z4KE_I37_CAT: U155.1(CAT) U157.2(AND)
UNNAMED_1_Z4KE_I38_AND: U156.2(AND) U157.1(CAT)
USE_BCKP_N: R337.1(A<0>) U21.9(Q0*) U22.4(D_B*)
USE_BCKP_P: R335.1(A<0>) U21.8(Q0) U22.3(D_B)
USE_DEFAULT_N: R341.2(B<0>) U21.12(Q1*) U23.2(D_A*)
USE_DEFAULT_P: R343.2(B<0>) U21.11(Q1) U23.1(D_A)
VBB_TRANS: C88.2(B<0>) U55.2(VBB) U55.4(D0*) U55.6(D1*) U55.26(D3*) U55.28(D2*)